# Altium PCB 通用工装板.PcbDoc (part 5 of 10) (continued)
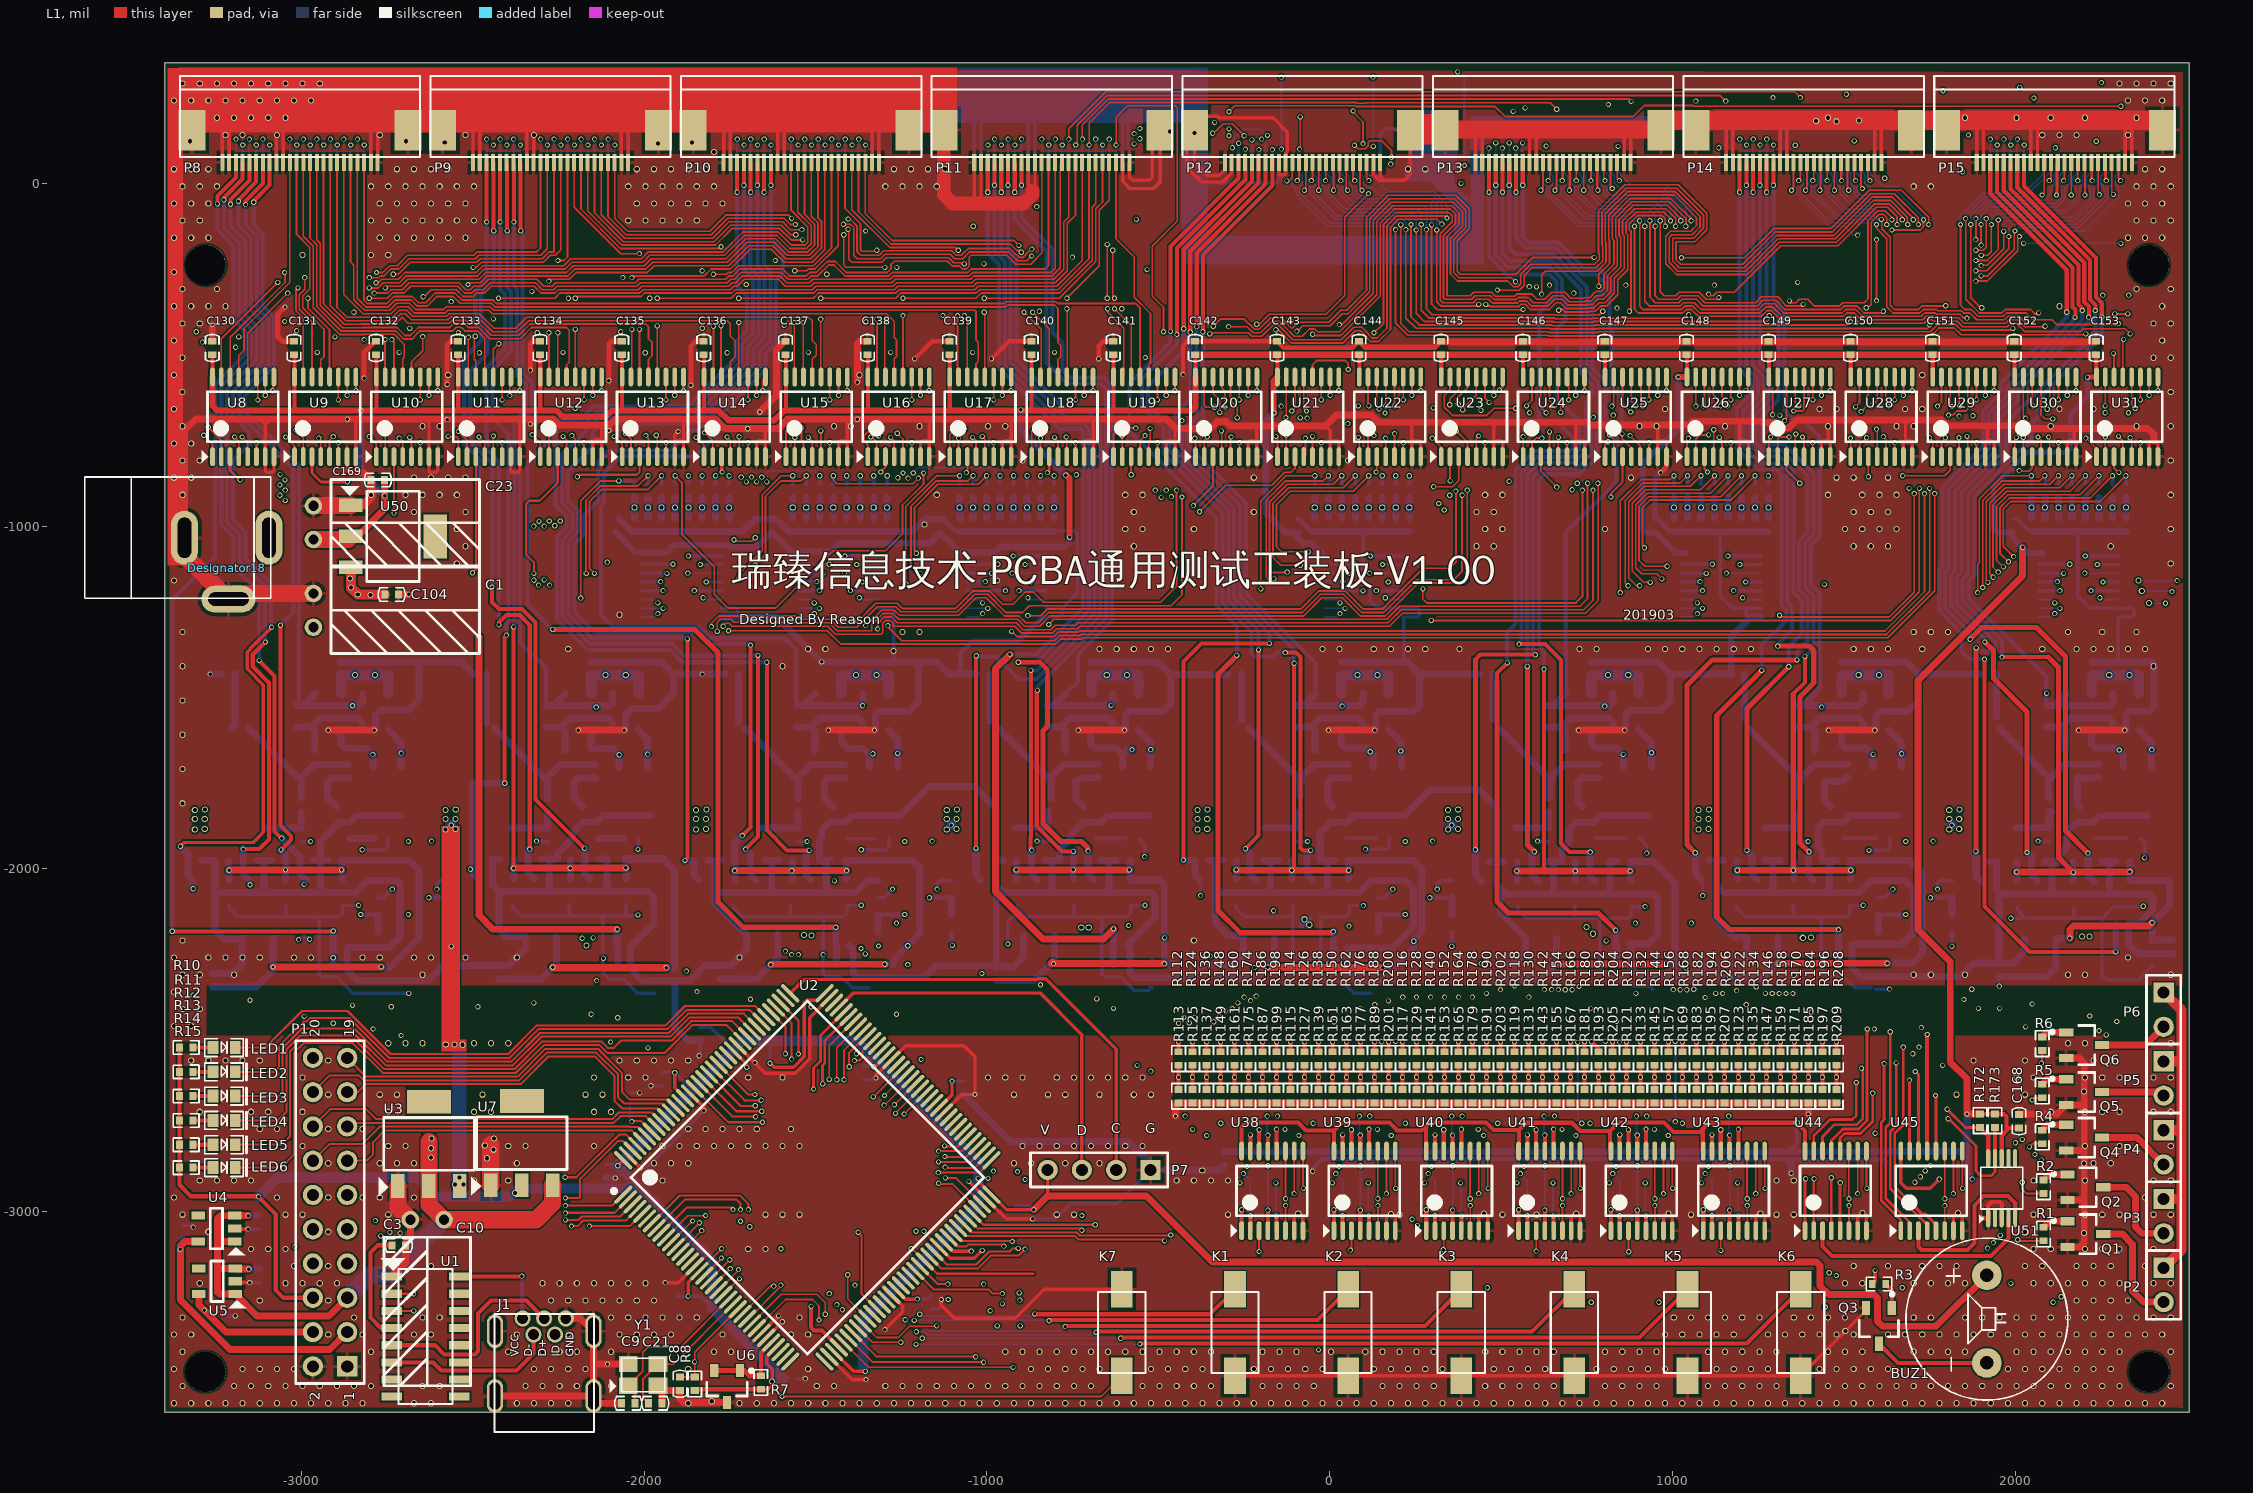
[diagram p0: L1 view]
## Nets (pads, with @x,y where several pads share a name; then routed paths per layer and width w, separated by ;. In a path a pad name is that pad's centre, name@x,y a point inside that pad or via, vN(x,y) a via of type N, cw(c..) or ccw(c..) an arc to the next point about the centre after c; other vN are vias at no path point) (continued)
  L4 w5: P17.12@-2263.29,60.67 -2263.29,128.65 v1(-2262.95,129)
M1_SPI_MISO: P17.9 U26.14 | length 4375.2
  L1 w5: v1(1090,-650) 1093.23,-646.77 U26.14@1093.23,-564.98
  L2 w5: v1(-2203.58,112) -2203.58,149.42 -2189,164 -590,164 v1(-571,145) ; v1(1090,-650) 1092,-648 1092,-333.21 1090,-331.21 1090,59 v1(1135,104)
  L3 w5: v1(-571,145) -536.14,145 -491.14,100 -461.96,100 -445.96,84 -230,84 -224,90 -224,102.25 -212.92,113.33 -189.46,113.33 -177.79,125 -63.08,125 -46.08,142 431.36,142 432.36,143 1096,143 v1(1135,104)
  L4 w5: P17.9@-2204.24,60.67 -2204.24,111.34 v1(-2203.58,112)
M1_SPI_MOSI: P17.10 U27.14 | length 4731.3
  L1 w5: v1(1327,-692) 1332.19,-686.81 U27.14@1332.19,-564.98
  L2 w5: v1(-2223.58,129) -2223.58,160.42 -2210,174 -568,174 v1(-554,160) ; v1(1327,-692) 1328,-691 1328,-674.36 1328,-670.5 1326,-668.5 1326,-330.14 1329.07,-327.07 1329.07,82.07 v1(1358,111)
  L3 w5: v1(-554,160) -537,160 -487,110 -457.82,110 -449.82,102 -286,102 v1(-284,104) ; v1(-181.72,140) -109.78,140 -108.78,139 -63.22,139 -50.22,152 427.21,152 428.21,153 1288,153 1330,111 v1(1358,111)
  L4 w5: P17.10@-2223.92,60.67 -2223.92,128.65 v1(-2223.58,129) ; v1(-284,104) -284,127 -253,158 -199.72,158 v1(-181.72,140)
M1_UART_RX: P17.8 U25.14 | length 4222.3
  L1 w5: U25.14@854.27,-564.98 854.27,-643.27 v1(878,-667)
  L2 w5: v1(-2184.21,129) -2184.21,144.79 -2175,154 -617,154 -593,130 v1(-554,130) ; v1(841,108) 828,95 828,2.21 839,-8.79 839,-136.14 889,-186.14 889,-547.14 878,-558.14 v1(878,-667)
  L3 w5: v1(-554,130) -535.28,130 -495.28,90 -466.1,90 -450.1,74 -195,74 -183,86 -183,104 -172,115 -58.93,115 -41.93,132 401.78,132 484.48,49.3 600.52,49.3 612.61,61.39 612.61,113.61 632,133 832,133 841,124 v1(841,108)
  L4 w5: P17.8@-2184.55,60.67 -2184.55,128.65 v1(-2184.21,129)
M1_UART_TX: P17.7 U24.14 | length 3960.3
  L1 w5: U24.14@615.31,-564.98 615.31,-653.31 v1(631,-669)
  L2 w5: v1(-2164.21,112) -2164.21,139.79 -2160,144 -629,144 -600,115 v1(-571,115) ; v1(631,-669) 623,-661 623,-342 633,-332 633,-315.21 626,-308.21 626,-290.79 631,-285.79 631,-13.79 616,1.21 616,94 v1(631,109)
  L3 w5: v1(-571,115) -534.43,115 -499.43,80 -470.24,80 -454.24,64 -174.07,64 -153.07,85 -74.79,85 -37.79,122 33.79,122 63.79,92 132.21,92 134.85,94.64 162.21,122 397.64,122 480.33,39.3 604.67,39.3 631,65.64 v1(631,109)
  L4 w5: P17.7@-2164.87,60.67 -2164.87,111.34 v1(-2164.21,112)
M2_ADC1: P18.17 R20.1 | length 2380.7
  L1 w5: v1(-2145,-1138) -2159.9,-1123.1 -2159.9,-929.28 -2123.66,-893.04 -1989.22,-893.04 v1(-1949.22,-853.04) ; v1@-1737,-1044 -1686,-1044 v1(-1676,-1034)
  L2 w5: v1(-1642,-871) -1642,-799.71 -1631,-788.71 -1631,-746.79 -1584,-699.79 -1584,-463 -1632.49,-414.51 -1632.49,-142.49 -1549,-59 -1549,31.1 v1(-1629.9,112)
  L3 w5: v1(-2145,-1138) -2119.42,-1138 -1951.42,-970 -1807.5,-970 v1(-1738,-1039.5) ; v1(-1676,-1034) -1683,-1027 -1683,-915.28 -1642,-874.28 v1(-1642,-871)
  L4 w5: P18.17@-1630.56,60.67 -1630.56,111.34 v1(-1629.9,112)
  L4 w12: R20.1@-1949.22,-876.34 v1(-1949.22,-853.04)
M2_ADC2: P18.18 R36.1 | length 1379.3
  L2 w5: v1(-1657,-857) -1657,-800.57 -1641,-784.57 -1641,-742.64 -1594,-695.64 -1594,-467.14 -1642.49,-418.65 -1642.49,-138.35 -1559,-54.86 -1559,13 -1649.9,103.9 v1(-1649.9,129)
  L4 w5: v1(-1657,-857) -1638.04,-838.04 -1502.94,-838.04 v1(-1487.94,-853.04) ; P18.18@-1650.25,60.67 -1650.25,128.65 v1(-1649.9,129)
  L4 w12: R36.1@-1487.94,-876.34 v1(-1487.94,-853.04)
M2_ADC3: P18.19 R52.1 | length 2325.1
  L1 w5: v1(-1206,-1079) -1211.62,-1073.38 -1211.62,-945.9 -1143.75,-878.04 -1025.94,-878.04 v1(-1000.94,-853.04)
  L2 w5: v1(-1672,-871) -1672,-801.43 -1651,-780.43 -1651,-738.5 -1604,-691.5 -1604,-471.28 -1652.49,-422.79 -1652.49,-134.21 -1569,-50.72 -1569,8.86 -1669.27,109.13 v1(-1669.27,112)
  L3 w5: v1(-1672,-871) -1672,-876.36 -1693,-897.36 -1693,-1049.15 -1673.15,-1069 -1625.56,-1069 -1538.56,-982 -1332.44,-982 -1235.44,-1079 v1(-1206,-1079)
  L4 w5: P18.19@-1669.93,60.67 -1669.93,111.34 v1(-1669.27,112)
  L4 w12: R52.1@-1000.94,-876.34 v1(-1000.94,-853.04)
M2_ADC4: P18.20 R68.1 | length 3685.4
  L1 w5: v1(-124,-1134) -125,-1135 -167,-1135 -175.55,-1126.45 -175.55,-929.28 -124.3,-878.04 10.13,-878.04 v1(35.13,-853.04)
  L2 w5: v1(-1689.27,129) -1689.27,105.27 -1579,-5 -1579,-46.57 -1662.49,-130.07 -1662.49,-426.93 -1614,-475.43 -1614,-687.36 -1661,-734.36 -1661,-776.28 -1687,-802.28 v1(-1687,-857)
  L3 w5: v1(-1687,-857) -1687,-877.21 -1703,-893.21 -1703,-1053.29 -1677.29,-1079 -1621.42,-1079 -1534.42,-992 -1336.58,-992 -1234.58,-1094 -1188.72,-1094 -1159.72,-1123 -1119.14,-1123 -1008.14,-1012 -842.86,-1012 -804,-1050.86 -804,-1051.64 -741.64,-1114 -151.72,-1114 -129,-1136.72 -126.72,-1136.72 v1(-124,-1134)
  L4 w5: P18.20@-1689.62,60.67 -1689.62,128.65 v1(-1689.27,129)
  L4 w12: R68.1@35.13,-876.34 v1(35.13,-853.04)
M2_ADC5: P18.21 R84.1 | length 4835.3
  L1 w5: v1(904,-1174) 895,-1174 872.28,-1151.28 872.28,-929.28 917.56,-884 1052,-884 v1(1082.96,-853.04)
  L2 w5: v1(-1708.64,112) -1708.64,110.5 -1589,-9.14 -1589,-42.43 -1672.49,-125.92 -1672.49,-431.08 -1624,-479.57 -1624,-683.22 -1671,-730.22 -1671,-772.14 -1702,-803.14 v1(-1702,-871)
  L3 w5: v1(-1702,-871) -1713,-882 -1713,-1057.43 -1681.43,-1089 -1617.28,-1089 -1530.28,-1002 -1340.72,-1002 -1238.72,-1104 -1192.86,-1104 -1163.86,-1133 -1114.99,-1133 -1003.99,-1022 -847.01,-1022 -814,-1055.01 -814,-1055.78 -745.78,-1124 -155.86,-1124 -130.86,-1149 -57.71,-1149 71.29,-1020 219.71,-1020 348.71,-1149 889,-1149 904,-1164 v1(904,-1174)
  L4 w5: P18.21@-1709.3,60.67 -1709.3,111.34 v1(-1708.64,112) ; v1@904,-1176 v1(904,-1174)
  L4 w12: R84.1@1082.96,-876.34 v1(1082.96,-853.04)
M2_ADC6: P18.22 R100.1 | length 5995.4
  L1 w5: v1(1920,-1164) 1915,-1159 1915,-929.28 1966.25,-878.04 2100.68,-878.04 v1(2125.68,-853.04)
  L2 w5: v1(-1728.64,129) -1728.64,103.64 -1680.36,55.36 -1667.64,55.36 -1599,-13.28 -1599,-38.29 -1682.49,-121.78 -1682.49,-435.22 -1634,-483.71 -1634,-679.08 -1681,-726.08 -1681,-768 -1717,-804 v1(-1717,-857)
  L3 w5: v1(-1717,-857) -1723,-863 -1723,-1061.57 -1685.57,-1099 -1613.14,-1099 -1526.14,-1012 -1344.86,-1012 -1242.86,-1114 -1197,-1114 -1168,-1143 -1110.85,-1143 -999.85,-1032 -851.15,-1032 -824,-1059.15 -824,-1059.92 -749.92,-1134 -160,-1134 -135,-1159 -53.57,-1159 75.43,-1030 215.57,-1030 344.57,-1159 879,-1159 889,-1169 889,-1185 893,-1189 983.72,-1189 1122.72,-1050 1234.28,-1050 1319.28,-1135 1859.28,-1135 1888.28,-1164 v1(1920,-1164)
  L4 w5: P18.22@-1728.99,60.67 -1728.99,128.65 v1(-1728.64,129)
  L4 w12: R100.1@2125.68,-876.34 v1(2125.68,-853.04)
M2_FADC1: R20.2 R21.1 U32.15 | length 330.3
  L2 w10: v2(-1949.26,-946) -1916,-979.26 v1(-1916,-1111)
  L4 w10: U32.15@-2006.27,-1111.58 -2005.69,-1111 v1(-1916,-1111)
  L4 w20: R21.1@-1949.22,-976.69 R20.2@-1949.22,-915.71
M2_FADC2: R36.2 R37.1 U33.15 | length 329.5
  L2 w10: v2@-1493.35,-946 -1460.09,-979.26 v1(-1460.09,-1111)
  L4 w10: U33.15@-1549.79,-1111 v1(-1460.09,-1111)
  L4 w20: R37.1@-1488,-976.73 R36.2@-1488,-915.71
  other v2: -1488.04,-946
M2_FADC3: R52.2 R53.1 U34.15 | length 329.5
  L2 w10: v2@-1002.02,-946 -968.76,-979.26 v1(-968.76,-1111)
  L4 w10: U34.15@-1058.45,-1111 v1(-968.76,-1111)
  L4 w20: R53.1@-1001.06,-976.69 R52.2@-1001.06,-915.71
  other v2: -1001.09,-946
M2_FADC4: R68.2 R69.1 U35.15 | length 329.5
  L2 w10: v2@40.5,-946 73.76,-979.26 v1(73.76,-1111)
  L4 w10: U35.15@-15.93,-1111 v1(73.76,-1111)
  L4 w20: R69.1@35.07,-976.73 R68.2@35.07,-915.71
  other v2: 35.03,-946
M2_FADC5: R84.2 R85.1 U36.15 | length 329.5
  L2 w10: v2@1083.02,-946 1116.28,-979.26 v1(1116.28,-1111)
  L4 w10: U36.15@1026.59,-1111 v1(1116.28,-1111)
  L4 w20: R85.1@1082.9,-976.69 R84.2@1082.9,-915.71
  other v2: 1082.86,-946
M2_FADC6: R100.2 R101.1 U37.15 | length 329.5
  L2 w10: v2(2125.58,-946) 2158.8,-979.26 v1(2158.8,-1111)
  L4 w10: U37.15@2069.11,-1111 v1(2158.8,-1111)
  L4 w20: R101.1@2125.62,-976.73 R100.2@2125.62,-915.71
M2_GPIO0: P10.11 U8.15 | length 2232.5
  L1 w5: U8.15@-3233.63,-564.98 -3233.63,-453.63 v1(-3069,-289) ; v1(-2782.43,-290) -2775.36,-290 -2765.36,-280 -2718,-280 -2698,-260 -2490.43,-260 -2470.43,-240 -2234.79,-240 -2214.79,-220 -2007.79,-220 -1987.79,-200 -1769.79,-200 -1711.79,-142 -1608.57,-142 -1570.57,-180 -1530.99,-180 -1523.08,-172.09 -1523.08,-127.25 -1571.51,-78.83 P10.11@-1571.51,60.67
  L2 w5: v1@-2782.43,-294.43 v1(-2782.43,-290)
  L3 w5: v1(-3069,-289) -2997.61,-289 -2996.61,-290 -2984.19,-290 v1(-2782.43,-290)
  L4 w5: v1@-2782.43,-294.43 v1(-2782.43,-290)
M2_GPIO1: P10.12 U9.15 | length 2106
  L1 w5: v1(-3010,-305) -3016,-311 -3016,-371.43 -2994.67,-392.76 U9.15@-2994.67,-564.98 ; v1(-2802,-305) -2776.21,-305 -2761.21,-290 -2713.86,-290 -2693.86,-270 -2486.28,-270 -2466.28,-250 -2230.64,-250 -2210.64,-230 -2003.64,-230 -1983.64,-210 -1765.64,-210 -1707.64,-152 -1612.71,-152 -1574.71,-190 -1526.85,-190 -1513.08,-176.23 -1513.08,-123.11 -1551.82,-84.37 P10.12@-1551.82,60.67
  L3 w5: v1(-3010,-305) v1(-2802,-305)
M2_GPIO2: P10.13 U10.15 | length 1849.6
  L1 w5: U10.15@-2756,-564.7 v1(-2756,-455.42) ; v1(-2755,-305) -2750,-300 -2709.72,-300 -2689.72,-280 -2482.14,-280 -2462.14,-260 -2226.5,-260 -2206.5,-240 -1999.5,-240 -1979.5,-220 -1761.5,-220 -1703.5,-162 -1616.85,-162 -1578.85,-200 -1522.71,-200 -1503.08,-180.37 -1503.08,-118.97 -1532.14,-89.91 P10.13@-1532.14,60.67
  L2 w5: v1(-2756,-455.42) -2755,-454.42 v1(-2755,-305)
  L4 w5: v1(-2756,-455.42) v1@-2755,-454.42
M2_GPIO3: P10.14 U11.15 | length 1619.4
  L1 w5: U11.15@-2514,-562.23 -2513,-561.23 v1(-2513,-448.43) ; v1(-2514,-295) -2509,-290 -2478,-290 -2458,-270 -2222.36,-270 -2202.36,-250 -1995.36,-250 -1975.36,-230 -1757.36,-230 -1699.36,-172 -1620.99,-172 -1582.99,-210 -1518.57,-210 -1493.08,-184.52 -1493.08,-114.83 -1512.45,-95.46 P10.14@-1512.45,60.67
  L2 w5: v1(-2514,-295) -2513,-296 v1(-2513,-448.43)
M2_GPIO4: P10.15 U12.15 | length 1399.4
  L1 w5: U12.15@-2278,-564.78 v1(-2278,-436) ; v1(-2278,-285) -2273,-280 -2218.22,-280 -2198.22,-260 -1991.22,-260 -1971.22,-240 -1753.22,-240 -1695.22,-182 -1625.14,-182 -1587.14,-220 -1514.43,-220 -1483.08,-188.66 -1483.08,-110.69 -1492.77,-101 P10.15@-1492.77,60.67
  L2 w5: v1(-2278,-436) v1(-2278,-285)
M2_GPIO5: P10.16 U13.15 | length 1169.1
  L1 w5: U13.15@-2036,-562.15 v1(-2036,-426) ; v1(-2036,-275) -2031,-270 -1825,-270 -1805,-250 -1749.08,-250 -1691.08,-192 -1629.28,-192 -1591.28,-230 -1510.28,-230 -1473.08,-192.8 P10.16@-1473.08,60.67
  L2 w5: v1(-2036,-426) v1(-2036,-275)
M2_GPIO6: P10.17 U14.15 | length 922.8
  L1 w5: U14.15@-1798,-563.11 v1(-1798,-417) ; v1(-1798,-265) -1760.85,-265 -1755.85,-260 -1744.93,-260 -1724.93,-240 -1506.14,-240 -1453.4,-187.26 P10.17@-1453.4,60.67
  L2 w5: v1(-1798,-417) v1(-1798,-265)
M2_GPIO7: P10.18 U15.15 | length 712.3
  L1 w5: U15.15@-1562,-563.9 v1(-1562,-406) v1@-1560.92,-407.08 ; v1(-1561,-255) -1526.14,-255 -1521.14,-250 -1502,-250 -1433.71,-181.71 P10.18@-1433.71,60.67
  L2 w5: v1(-1562,-406) -1561,-405 v1(-1561,-255)
  L4 w5: v1(-1562,-406) v1@-1561,-405
M2_GPIO8: P10.19 U16.15 | length 695.2
  L1 w5: P10.19@-1414.03,60.67 -1414.03,-72.97 -1369,-118 -1369,-195 -1366,-198 -1324,-198 v1(-1321,-195) ; U16.15@-1321.96,-564.98 -1321,-564.03 v1(-1321,-396)
  L2 w5: v1(-1321,-396) v1(-1321,-195)
  other v1: -1321,-195
M2_GPIO9: P10.20 U17.15 | length 867.3
  L1 w5: P10.20@-1394.34,60.67 -1394.34,-76.66 -1284,-187 -1092,-187 v1(-1084,-195) ; v1(-1086,-386) -1086,-561.98 U17.15@-1084,-563.98
  L2 w5: v1(-1086,-386) -1086,-197 v1(-1084,-195)
M2_GPIO10: P10.21 U18.15 | length 1055.6
  L1 w5: P10.21@-1374.66,60.67 -1374.66,-82.2 -1279.86,-177 -932.21,-177 -913.21,-196 -905,-196 v1(-900,-201) ; v1(-892,-376) -842,-426 -842,-562.95 U18.15@-844.04,-564.98
  L2 w5: v1(-900,-201) -900,-368 v1(-892,-376)
M2_GPIO11: P10.22 U19.15 | length 1314.1
  L1 w5: P10.22@-1354.97,60.67 -1354.97,-87.74 -1275.72,-167 -921,-167 v1(-907,-181) ; v1(-649,-335) v1(-649,-178) ; v1(-648,-366) -648,-376 -601,-423 -601,-560.91 U19.15@-605.08,-564.98
  L2 w5: v1(-649,-335) -649,-359 -645,-363 v1(-648,-366)
  L3 w5: v1(-907,-181) -903,-177 -650,-177 v1(-649,-178)
  L4 w5: -648,-374 v1(-648,-366)
M2_GPIO12: P18.3 U20.15 | length 2068.7
  L1 w5: U20.15@-366.12,-564.98 -366.12,-646.88 -360,-653 v1(-336,-653)
  L2 w5: v1(-336,-653) -325,-642 -325,115 -319,121 -319,161 v1(-336,178)
  L3 w5: v1(-1354.31,112) -1354.31,135.69 -1305,185 -341,185
  L4 w5: P18.3@-1354.97,60.67 -1354.97,111.34 v1(-1354.31,112)
M2_GPIO13: P18.4 U21.15 | length 2484.3
  L1 w5: v1(-128,-683) -127,-684 -127,-565.14 U21.15@-127.16,-564.98 ; v1(-88,100) -88,101 -87,102 -86,101 v1(-86,194)
  L2 w5: v1@-87,103 -88,102 v1(-88,100) -86,100 -79,93 -79,-1 -92,-14 -92,-34 -78,-48 -78,-645 -84.5,-651.5 -84.5,-685.5 -86,-687 v1(-86,-684)
  L3 w5: v1(-1374.31,129) -1374.31,145.69 -1325,195 -329.5,195 -308.5,174 -279.5,174 -258.5,195 -87,195 v1(-86,194) ; v1(-128,-683) -87,-683 v1(-86,-684)
  L4 w5: P18.4@-1374.66,60.67 -1374.66,128.65 v1(-1374.31,129)
M2_GPIO14: P18.5 U22.15 | length 2586.9
  L1 w5: v1(68,211) 68,208 97,179 v1(97,116) ; U22.15@111.8,-564.98 111.8,-646.8 v1(114,-649)
  L2 w5: v1(97,116) 99,114 99,8 79,-12 79,-408.21 115,-444.21 115,-648 v1(114,-649)
  L3 w5: v1(-1393.68,112) -1393.68,157.32 -1346,205 -325.36,205 -304.36,184 -283.64,184 -262.64,205 -97.51,205 -87.51,215 66,215 70,211 v1(68,211)
  L4 w5: P18.5@-1394.34,60.67 -1394.34,111.34 v1(-1393.68,112)
M2_GPIO15: P18.6 U23.15 | length 3366.1
  L1 w5: U23.15@350.76,-564.98 350.76,-602.24 334,-619 334,-653 358,-677 458,-677 479,-656 v1(542,-656)
  L2 w5: v1(535,210) 591,154 591,-126.77 567.91,-149.86 567.91,-279.73 557,-290.64 557,-347 546.5,-357.5 546.5,-376.5 563,-393 563,-624 542,-645 v1(542,-656)
  L3 w5: v1(-1413.68,129) -1413.68,173.32 -1372,215 -321.21,215 -300.21,194 -287.79,194 -256.79,225 -190.35,225 -180.35,215 -101.65,215 -91.65,225 60.79,225 61.79,226 74.21,226 75.21,225 76.65,225 86.65,215 536,215 535,214 v1(535,210)
  L4 w5: P18.6@-1414.03,60.67 -1414.03,128.65 v1(-1413.68,129) ; v1@534,211 v1(535,210)
M2_I2C_SCL: P18.14 U31.15 | length 5118
  L1 w5: v1(2262,-649) 2262.43,-648.57 U31.15@2262.43,-564.98
  L2 w5: v1(2251,294) 2251,84 2282,53 2282,-6 2270,-18 2270,-640 2262,-648 v1(2262,-649)
  L3 w5: v1(-1571.16,129) -1571.16,267.84 -1544,295 -375.86,295 -366.86,304 -290.92,304 -289.92,305 -156,305 -156,303.79 -147.21,295 -134.79,295 -126,303.79 -126,305 27.65,305 28.65,306 107.35,306 108.35,305 111,305 111,303.79 119.79,295 132.21,295 141,303.79 141,305 376.14,305 377.14,304 1074.71,304 1083.71,295 2250,295 v1(2251,294)
  L4 w5: P18.14@-1571.51,60.67 -1571.51,128.65 v1(-1571.16,129)
M2_I2C_SDA: P18.13 U30.15 | length 4965
  L1 w5: U30.15@2023.47,-564.98 2023.47,-678.47 v1(2030,-685)
  L2 w5: v1(2013,280) 2036,257 2036,210 2044,202 2044,-35.36 2099,-90.36 2099,-307.86 2015,-391.86 2020,-396.86 2020,-435.86 2024,-439.86 2024,-679 v1(2030,-685)
  L3 w5: v1(-1551.16,112) -1551.16,257.84 -1524,285 -371.72,285 -362.72,294 -286.78,294 -285.78,295 -161.36,295 -151.36,285 -130.64,285 -120.64,295 31.79,295 32.79,296 103.21,296 104.21,295 105.64,295 115.64,285 136.36,285 146.36,295 371.99,295 372.99,294 1070.57,294 1079.57,285 2008,285 v1(2013,280)
  L4 w5: P18.13@-1551.82,60.67 -1551.82,111.34 v1(-1551.16,112)
M2_SPI_CLK: P18.11 U28.15 | length 4269.2
  L1 w5: v1(1534,-652) 1545.55,-640.45 U28.15@1545.55,-564.98
  L2 w5: v1(1507,260) 1508,259 1508,9 1529,-12 1529,-109 1512,-126 1512,-180 1529,-197 1529,-363 1534,-368 v1(1534,-652)
  L3 w5: v1(-1511.79,112) -1511.79,245.21 -1492,265 -363.43,265 -354.43,274 -278.5,274 -277.5,275 -169.64,275 -159.64,265 -122.36,265 -112.36,275 40.08,275 41.08,276 94.92,276 95.92,275 97.36,275 107.36,265 144.64,265 154.64,275 363.71,275 364.71,274 1062.28,274 1071.28,265 1503,265 1507,261 v1(1507,260)
  L4 w5: P18.11@-1512.45,60.67 -1512.45,111.34 v1(-1511.79,112)
M2_SPI_CS: P18.12 U29.15 | length 4567.3
  L1 w5: v1(1773,-650) 1784.51,-638.49 U29.15@1784.51,-564.98
  L2 w5: v1(1773,-650) 1773,-359.79 1789,-343.79 v1(1789,270)
  L3 w5: v1(-1531.79,129) -1531.79,254.21 -1511,275 -367.57,275 -358.57,284 -282.64,284 -281.64,285 -165.5,285 -155.5,275 -126.5,275 -116.5,285 35.93,285 36.93,286 99.07,286 100.07,285 101.5,285 111.5,275 140.5,275 150.5,285 367.85,285 368.85,284 1066.43,284 1075.43,275 1784,275 v1(1789,270)
  L4 w5: P18.12@-1532.14,60.67 -1532.14,128.65 v1(-1531.79,129)
M2_SPI_MISO: P18.9 U26.15 | length 3716.3
  L1 w5: v1@1067.64,-649.64 U26.15@1067.64,-564.98
  L2 w5: v1(1068,-650) 1069,-649 1069,239 v1(1068,240)
  L3 w5: v1(-1472.42,112) -1472.42,224.58 -1452,245 -355.15,245 -346.15,254 -270.21,254 -269.21,255 -177.92,255 -167.92,245 -114.08,245 -104.08,255 48.36,255 49.36,256 86.64,256 87.64,255 89.08,255 99.08,245 152.92,245 162.92,255 355.43,255 356.43,254 1054,254 v1(1068,240)
  L4 w5: P18.9@-1473.08,60.67 -1473.08,111.34 v1(-1472.42,112)
M2_SPI_MOSI: P18.10 U27.15 | length 4072.9
  L1 w5: v1(1292,-675) 1292,-614 1297,-609 1306.59,-599.41 U27.15@1306.59,-564.98
  L2 w5: v1(1292,-675) 1292,-674.14 1302,-664.14 1302,-325.86 1309.07,-318.79 1309.07,90.35 1323.43,104.71 1323.43,229.43 1302.86,250 v1(1293,250)
  L3 w5: v1(-1492.42,129) -1492.42,237.58 -1475,255 -359.29,255 -350.29,264 -274.36,264 -273.36,265 -173.78,265 -163.78,255 -118.22,255 -108.22,265 44.22,265 45.22,266 90.78,266 91.78,265 93.22,265 103.22,255 148.78,255 158.78,265 359.57,265 360.57,264 1058.14,264 1067.14,255 1288,255 v1(1293,250)
  L4 w5: P18.10@-1492.77,60.67 -1492.77,128.65 v1(-1492.42,129) ; v1(1293,250) v1@1293,253
M2_UART_RX: P18.8 U25.15 | length 3432
  L1 w5: v1(823,-650) 828.68,-644.32 U25.15@828.68,-564.98
  L2 w5: v1(813,230) 818,225 818,0.21 809,-8.79 809,-350.43 821.21,-362.64 821.21,-648.21 v1(823,-650)
  L3 w5: v1(-1453.05,129) -1453.05,208.95 -1427,235 -275.07,235 -265.07,245 -182.07,245 -172.07,235 -109.93,235 -99.93,245 52.5,245 53.5,246 82.5,246 83.5,245 84.93,245 94.93,235 157.07,235 167.07,245 351.28,245 361.28,235 808,235 v1(813,230)
  L4 w5: P18.8@-1453.4,60.67 -1453.4,128.65 v1(-1453.05,129)
M2_UART_TX: P18.7 U24.15 | length 3178
  L1 w5: v1(574,-649) 589.72,-633.28 U24.15@589.72,-564.98
  L2 w5: v1(570,220) 570,189.14 601,158.14 601,-130.91 577.91,-154 577.91,-283.88 567,-294.79 567,-349.79 583,-365.79 583,-640 v1(574,-649)
  L3 w5: v1(-1433.05,112) -1433.05,194.95 -1403,225 -270.93,225 -260.93,235 -186.21,235 -176.21,225 -105.79,225 -95.79,235 56.64,235 57.64,236 78.36,236 79.36,235 80.79,235 90.79,225 161.21,225 171.21,235 347.14,235 353,229.14 353,225 565,225 v1(570,220)
  L4 w5: P18.7@-1433.71,60.67 -1433.71,111.34 v1(-1433.05,112) ; v1(570,220) v1@570,221
M3_ADC1: P19.17 R22.1 | length 2475.7
  L1 w5: v1(-1909.85,-853.04) -1890,-872.89 -1890,-1024 -1796,-1118 -1796,-1199 -1756,-1239 -1616,-1239 -1449,-1072 -1296,-1072 -1246.62,-1022.62 -1246.62,-938.48 -1185,-876.86 v1(-1185,-845)
  L2 w5: v1(-1185,-845) -1185,-818.71 -1099,-732.71 -1099,-529.43 -1143.63,-484.8 -1143.63,-129.91 -916.72,97 -912.21,97 -899.05,110.16 v1(-899.05,129)
  L4 w5: P19.17@-899.4,60.67 -899.4,128.65 v1(-899.05,129)
  L4 w12: R22.1@-1909.85,-876.34 v1(-1909.85,-853.04)
M3_ADC2: P19.18 R38.1 | length 1472.5
  L1 w5: v1(-1448.57,-853.04) -1448.57,-865.43 -1438,-876 -1216,-876 v1(-1200,-860)
  L2 w5: v1(-1200,-860) -1200,-819.57 -1109,-728.57 -1109,-533.57 -1153.63,-488.94 -1153.63,-125.77 -918.42,109.43 v1(-918.42,112)
  L4 w5: P19.18@-919.09,60.67 -919.09,111.34 v1(-918.42,112)
  L4 w12: R38.1@-1448.57,-876.34 v1(-1448.57,-853.04)
M3_ADC3: P19.19 R54.1 | length 1487.3
  L2 w5: v1(-1215,-845) -1215,-820.43 -1119,-724.43 -1119,-537.72 -1163.63,-493.09 -1163.63,-121.63 -938.42,103.58 v1(-938.42,129)
  L4 w5: v1(-1215,-845) -1199,-829 -985.6,-829 v1(-961.57,-853.04) ; P19.19@-938.77,60.67 -938.77,128.65 v1(-938.42,129)
  L4 w12: R54.1@-961.57,-876.34 v1(-961.57,-853.04)
M3_ADC4: P19.20 R70.1 | length 3159.9
  L1 w5: v1(-86,-1114) -143,-1114 -165.55,-1091.45 -165.55,-933.43 -120.16,-888.04 39.5,-888.04 v1(74.5,-853.04)
  L2 w5: v1(-1230,-860) -1230,-821.28 -1129,-720.28 -1129,-541.86 -1173.63,-497.23 -1173.63,-103.84 v1(-957.8,112)
  L3 w5: v1(-1230,-860) -1230,-1033 -1219,-1044 -1189.72,-1044 -1140.72,-1093 -1131.56,-1093 -1020.56,-982 -830.44,-982 -774,-1038.44 -774,-1039.21 -729.21,-1084 -123.72,-1084 -93.72,-1114 v1(-86,-1114)
  L4 w5: P19.20@-958.46,60.67 -958.46,111.34 v1(-957.8,112)
  L4 w12: R70.1@74.44,-876.34 v1(74.5,-853.04)
M3_ADC5: P19.21 R86.1 | length 4382.4
  L1 w5: v1(935,-1164) 915.21,-1164 882.28,-1131.07 882.28,-933.43 921.71,-894 1081.37,-894 v1(1122.33,-853.04)
  L2 w5: v1(-1245,-845) -1245,-822.14 -1139,-716.14 -1139,-546 -1183.63,-501.37 -1183.63,-99.69 -977.8,106.14 v1(-977.8,129)
  L3 w5: v1(-1245,-845) -1245,-1041.15 -1232.15,-1054 -1193.86,-1054 -1144.86,-1103 -1127.42,-1103 -1016.42,-992 -834.58,-992 -784,-1042.58 -784,-1043.36 -733.36,-1094 -127.86,-1094 -92.86,-1129 -65.99,-1129 63.01,-1000 227.99,-1000 356.99,-1129 908,-1129 934,-1155 934,-1164 v1(935,-1164)
  L4 w5: P19.21@-978.14,60.67 -978.14,128.65 v1(-977.8,129)
  L4 w12: R86.1@1122.33,-876.34 v1(1122.33,-853.04)
M3_ADC6: P19.22 R102.1 | length 5428.4
  L1 w5: v1(1935,-1149) 1925,-1139 1925,-933.43 1970.39,-888.04 2130.05,-888.04 v1(2165.05,-853.04)
  L2 w5: v1(-1260,-859) -1260,-823 -1149,-712 -1149,-550.14 -1193.63,-505.51 -1193.63,-95.55 -997.17,100.91 v1(-997.17,112)
  L3 w5: v1(-1260,-859) -1260,-1040.29 -1236.29,-1064 -1198,-1064 -1149,-1113 -1123.28,-1113 -1012.28,-1002 -838.72,-1002 -794,-1046.72 -794,-1047.5 -737.5,-1104 -132,-1104 -97,-1139 -61.85,-1139 67.15,-1010 223.85,-1010 352.85,-1139 899,-1139 920,-1160 920,-1175 924,-1179 979.57,-1179 1118.57,-1040 1238.43,-1040 1323.43,-1125 1863.43,-1125 1887.43,-1149 v1(1935,-1149)
  L4 w5: P19.22@-997.83,60.67 v1@-997.83,111.34
  L4 w12: R102.1@2165.05,-876.34 v1(2165.05,-853.04)
M3_FADC1: R22.2 R23.1 U32.12 | length 392.5
  L2 w10: v1(-1945,-1188) -1893.5,-1136.5 -1893.5,-962.39 v2(-1909.89,-946)
  L4 w10: U32.12@-2006.27,-1188.35 -2005.92,-1188 v1(-1945,-1188)
  L4 w20: R23.1@-1909.85,-976.69 R22.2@-1909.85,-915.71
M3_FADC2: R38.2 R39.1 U33.12 | length 392
  L2 w10: v1(-1489.09,-1188) -1437.59,-1136.5 -1437.59,-962.39 v2@-1453.98,-946
  L4 w10: U33.12@-1550.02,-1188 v1(-1489.09,-1188)
  L4 w20: R39.1@-1448.63,-976.73 R38.2@-1448.63,-915.71
  other v2: -1448.67,-946
M3_FADC3: R54.2 R55.1 U34.12 | length 422.6
  L2 w10: v2@-962.65,-946 -946.26,-962.39 -946.26,-1187.74 v1(-946,-1188)
  L4 w10: U34.12@-1058.68,-1188 v1(-946,-1188)
  L4 w20: R55.1@-961.69,-976.69 R54.2@-961.69,-915.71
  other v2: -961.72,-946
M3_FADC4: R70.2 R71.1 U35.12 | length 424.6
  L2 w10: v2@79.87,-946 96.26,-962.39 96.26,-1188.26 v1(97,-1189)
  L4 w10: U35.12@-16.16,-1188 -15.16,-1189 v1(97,-1189)
  L4 w20: R71.1@74.44,-976.73 R70.2@74.44,-915.71
  other v2: 74.4,-946
M3_FADC5: R86.2 R87.1 U36.12 | length 392
  L2 w10: v1(1087.28,-1188) 1138.78,-1136.5 1138.78,-962.39 v2@1122.39,-946
  L4 w10: U36.12@1026.36,-1188 v1(1087.28,-1188)
  L4 w20: R87.1@1122.27,-976.69 R86.2@1122.27,-915.71
  other v2: 1122.23,-946
M3_FADC6: R102.2 R103.1 U37.12 | length 392
  L2 w10: v1(2129.8,-1188) 2181.3,-1136.5 2181.3,-962.39 v2@2164.91,-946
  L4 w10: U37.12@2068.88,-1188 v1(2129.8,-1188)
  L4 w20: R103.1@2164.99,-976.73 R102.2@2164.99,-915.71
  other v2: 2164.95,-946
M3_GPIO0: P11.11 U8.12 | length 2945.4
  L1 w5: U8.12@-3156.86,-564.98 -3156.86,-436.86 v1(-3040,-320) ; v1(-2788,-320) -2748.79,-320 -2738.79,-310 -2705.57,-310 -2685.57,-290 -2540.21,-290 -2520.21,-310 -2507.28,-310 -2497.28,-300 -2473.86,-300 -2453.86,-280 -2313,-280 -2293,-300 -2268.43,-300 -2258.43,-290 -2025.57,-290 -2015.57,-280 -1761.71,-280 -1751.71,-270 -1740.79,-270 -1720.79,-250 -1596,-250 -1576,-270 -1527,-270 -1517,-260 -1497.86,-260 -1465.86,-228 -1442.14,-228 -1410.14,-260 -1290.58,-260 -1280.29,-249.71 -1280.29,-237.29 -1270,-227 -1115.64,-227 -1101.43,-241.21 -1081.35,-241.21 -1072.56,-250 -1060.14,-250 -1051.35,-241.21 -1051.35,-214.63 -1046.72,-210 -941.64,-210 -915.64,-236 -872.79,-236 -840,-203.21 -840,60.32 P11.11@-840.35,60.67
  L3 w5: v1(-3040,-320) v1(-2788,-320)
M3_GPIO1: P11.12 U9.12 | length 2833.7
  L1 w5: v1(-2981,-335) -2981,-364 -2917.9,-427.1 U9.12@-2917.9,-564.98 ; v1@-2802,-335.08 -2801.92,-335 -2749.64,-335 -2734.64,-320 -2701.43,-320 -2681.43,-300 -2544.36,-300 -2524.36,-320 -2503.14,-320 -2493.14,-310 -2469.72,-310 -2449.72,-290 -2317.14,-290 -2297.14,-310 -2264.28,-310 -2254.28,-300 -2021.43,-300 -2011.43,-290 -1757.57,-290 -1747.57,-280 -1736.65,-280 -1716.65,-260 -1600.14,-260 -1580.14,-280 -1522.29,-280 -1512.29,-270 ; -1512.86,-270 -1512.29,-270 ; P11.12@-820.67,60.67 -820.67,-240.67 -830,-250 -1045.99,-250 -1055.99,-260 -1276.44,-260 -1286.44,-270 -1414.28,-270 -1446.28,-238 -1461.72,-238 -1493.72,-270 -1512.29,-270
  L3 w5: v1(-2981,-335) v1(-2802,-335)
M3_GPIO2: P11.13 U10.12 | length 2484.5
  L1 w5: U10.12@-2678.94,-564.98 -2678.94,-520.94 -2646,-488 v1(-2646,-447) ; v1(-2645,-331) -2642,-331 -2621,-310 -2548.5,-310 -2528.5,-330 -2499,-330 -2489,-320 -2465.57,-320 -2445.57,-300 -2321.28,-300 -2301.28,-320 -2260.14,-320 -2250.14,-310 -2017.28,-310 -2007.28,-300 -1753.43,-300 -1743.43,-290 -1732.51,-290 -1712.51,-270 -1604.28,-270 -1584.28,-290 -1518.15,-290 -1508.15,-280 -1282.29,-280 -1272.29,-270 -1051.85,-270 -1041.85,-260 -813.58,-260 -800.98,-247.4 P11.13@-800.98,60.67
  L2 w5: v1(-2646,-447) -2645,-446 v1(-2645,-331)
M3_GPIO3: P11.14 U11.12 | length 2238.4
  L1 w5: U11.12@-2439.98,-564.98 -2439.98,-483.98 v1(-2424,-468) ; v1(-2425,-335) -2261,-335 -2246,-320 -2013.14,-320 -2003.14,-310 -1749.28,-310 -1739.28,-300 -1728.37,-300 -1708.37,-280 -1608.43,-280 -1588.43,-300 -1514.01,-300 -1504.01,-290 -1278.15,-290 -1268.15,-280 -1047.71,-280 -1037.71,-270 -809.44,-270 -786,-246.56 -786,55.97 P11.14@-781.3,60.67
  L2 w5: v1(-2425,-335) -2425,-467 v1(-2424,-468)
M3_GPIO4: P11.15 U12.12 | length 2007.2
  L1 w5: U12.12@-2201,-564.96 v1(-2201,-426) ; v1(-2201,-335) -2196,-330 -2009,-330 -1999,-320 -1745.14,-320 -1735.14,-310 -1509.87,-310 -1499.87,-300 -1274.01,-300 -1264.01,-290 -1043.57,-290 -1033.57,-280 -805.29,-280 -776,-250.71 -776,-112.7 -761.61,-98.32 P11.15@-761.61,60.67
  L2 w5: v1(-2201,-426) v1(-2201,-335)
M3_GPIO5: P11.16 U13.12 | length 1784.6
  L1 w5: U13.12@-1962,-564.92 v1(-1962,-416) ; v1(-1962,-335) -1746,-335 -1731,-320 -1505.72,-320 -1495.72,-310 -1269.87,-310 -1259.87,-300 -1039.43,-300 -1029.43,-290 -801.15,-290 -766,-254.85 -766,-116.85 -741.93,-92.77 P11.16@-741.93,60.67
  L2 w5: v1(-1962,-416) v1(-1962,-335)
M3_GPIO6: P11.17 U14.12 | length 1562.2
  L1 w5: U14.12@-1724,-564.09 v1(-1724,-406) ; v1(-1724,-335) -1506.58,-335 -1491.58,-320 -1265.72,-320 -1255.72,-310 -1035.28,-310 -1025.28,-300 -797.01,-300 -722.24,-225.23 P11.17@-722.24,60.67
  L2 w5: v1(-1724,-406) v1(-1724,-335)
M3_GPIO7: P11.18 U15.12 | length 1339.7
  L1 w5: U15.12@-1485,-564.13 v1(-1485,-396) ; v1(-1485,-335) -1266.58,-335 -1251.58,-320 -1031.14,-320 -1021.14,-310 -792.87,-310 -702.56,-219.69 P11.18@-702.56,60.67
  L2 w5: v1(-1485,-396) v1(-1485,-335)